# Altium PCB Controller.PcbDoc (part 2 of 2)
Units mm, origin at the board's own origin, x right, y up, seen from the top; angles counter-clockwise.
Board outline 110 x 150 mm, 4 copper layers (Top Layer, Signal Layer 1, Signal Layer 2, Bottom Layer), stack 2.15 mm thick; 184 components, 118 nets, 586 pads, 217 vias.
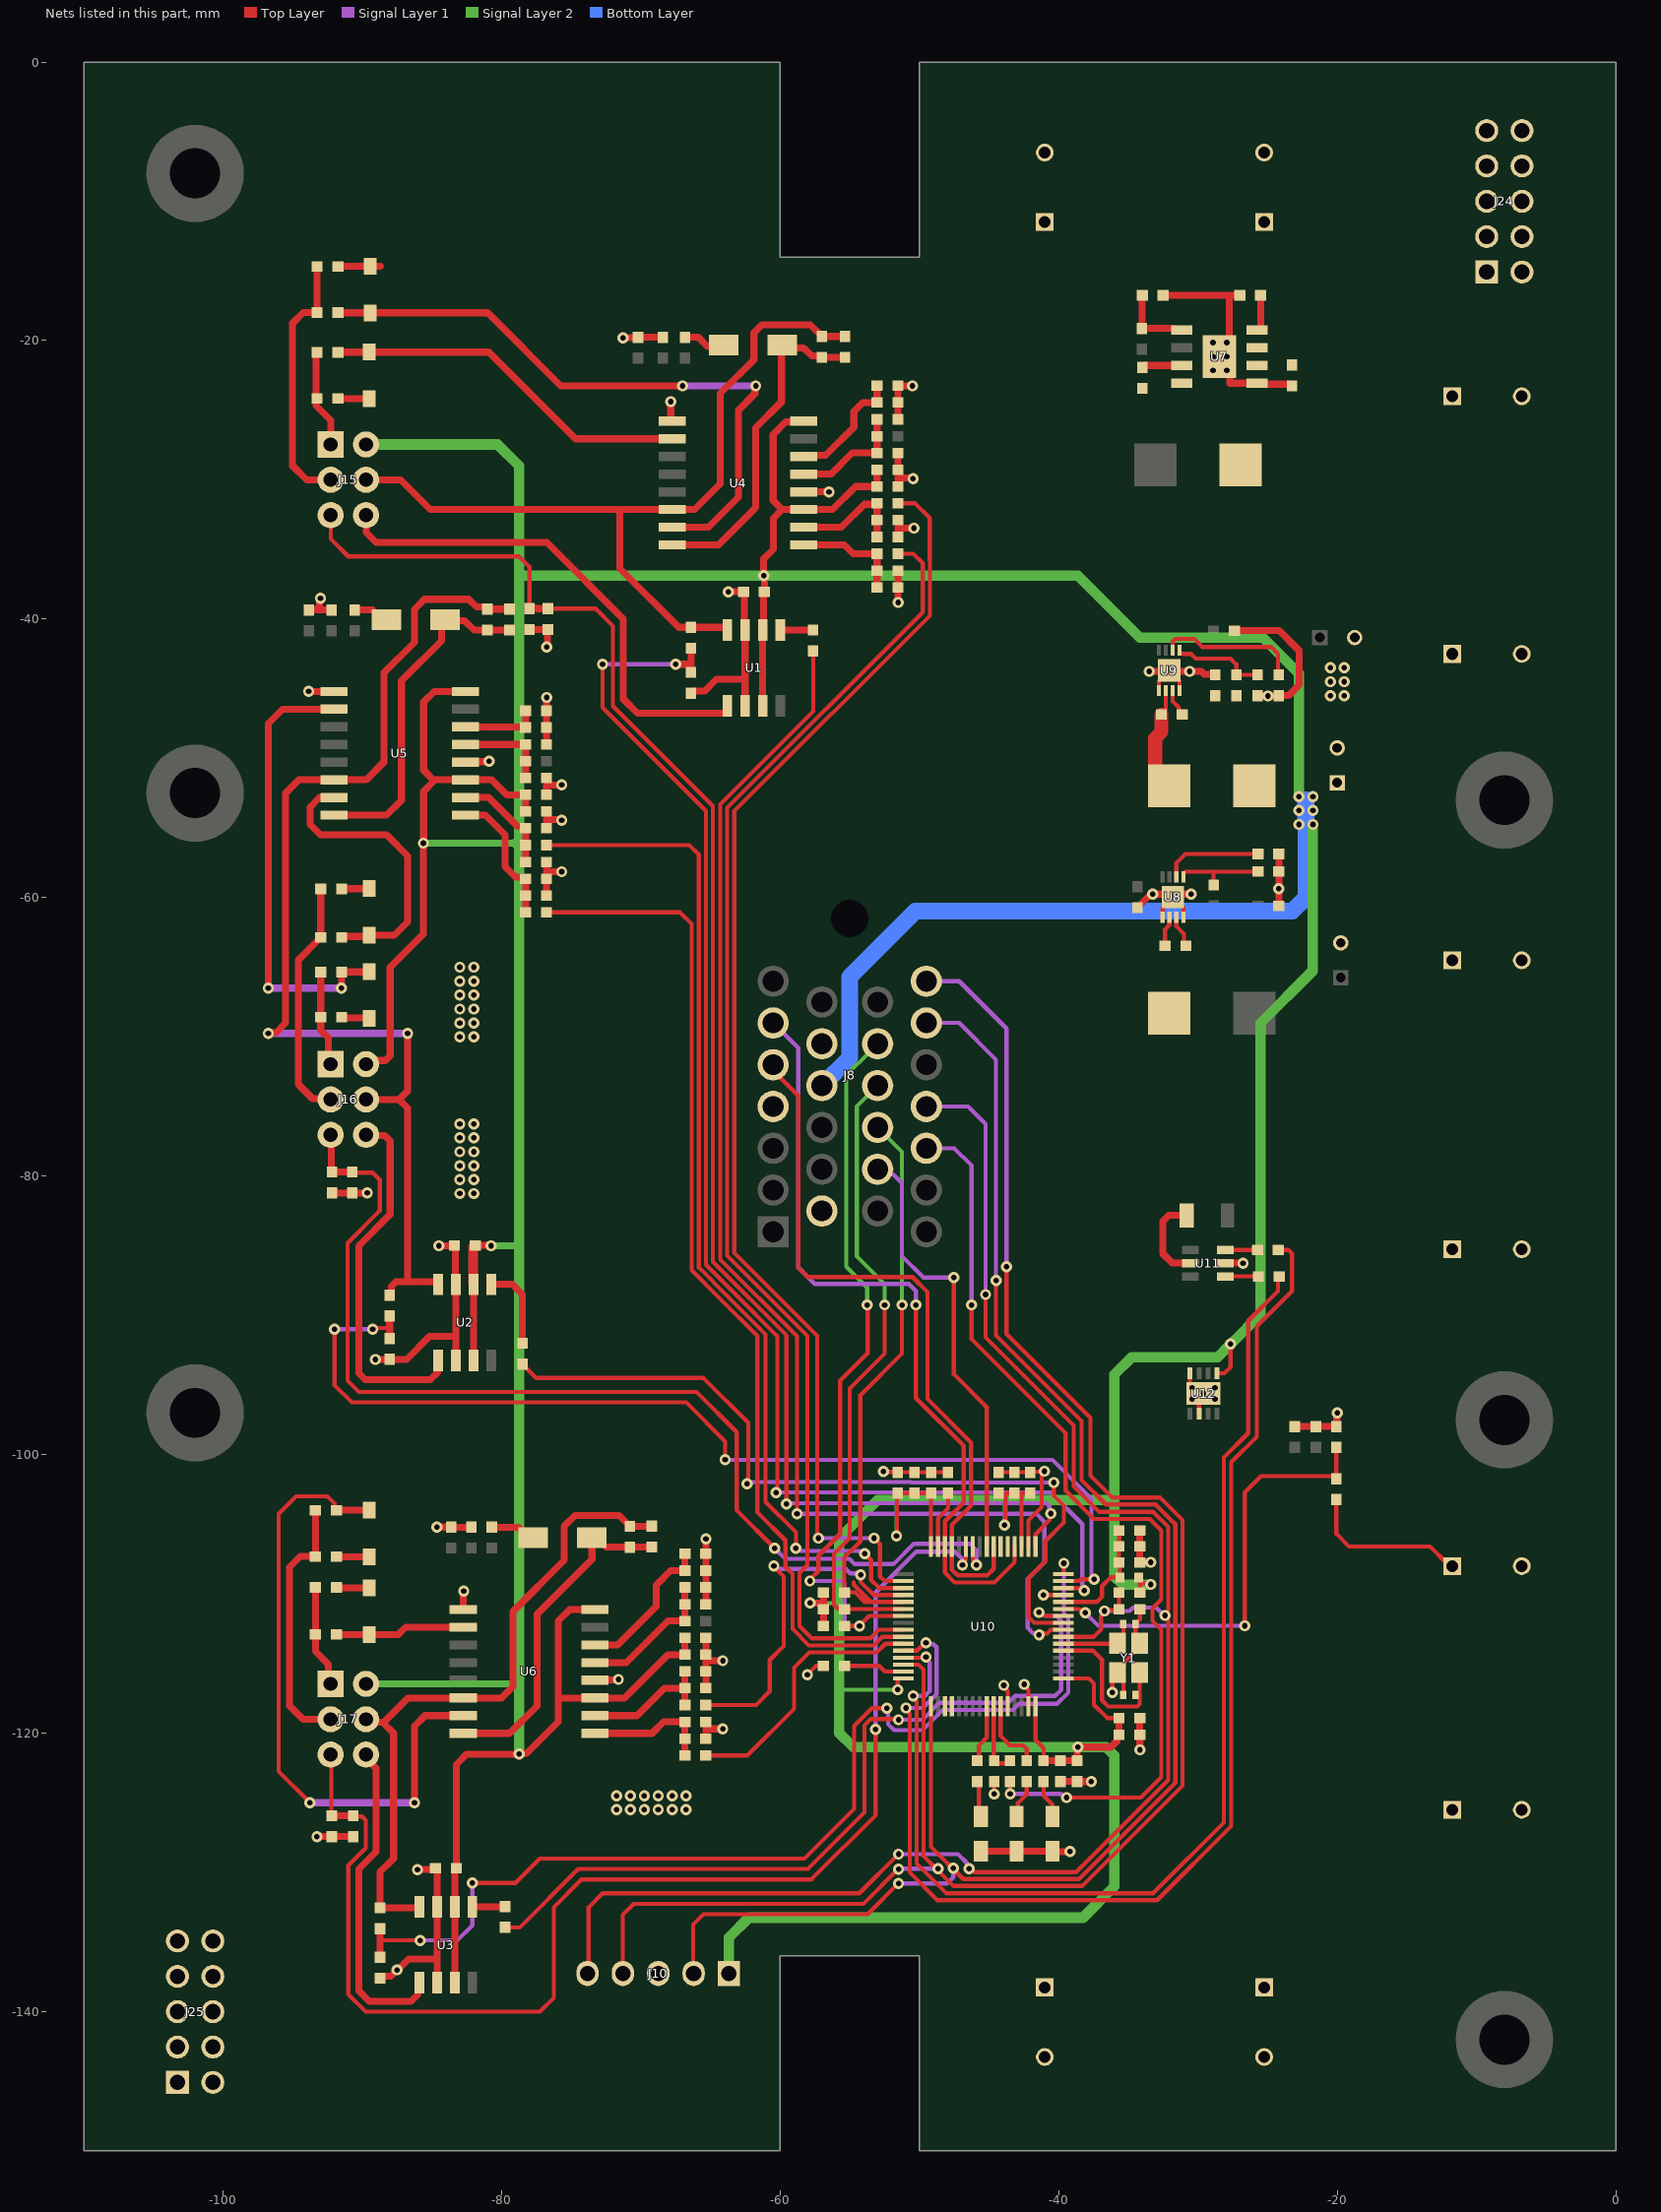
[diagram p4: the nets of this part, all layers, seen from the top]

## Via types
v1: diameter 0.8, hole 0.4, Top Layer to Bottom Layer, tented both sides, 217 vias

## Nets (pads, with @x,y where several pads share a name; then routed paths per layer and width w, separated by ;. In a path a pad name is that pad's centre, name@x,y a point inside that pad or via, vN(x,y) a via of type N, cw(c..) or ccw(c..) an arc to the next point about the centre after c; other vN are vias at no path point) (continued)
GND: C1.2 C2.2 C6.1 C7.2 C8.2 C12.2 C15.2 C16.2 C17.2 C18.1 C19.1 C20.1 C25.2 C26.2 C30.1 C31.1 C32.1 C35.2 C36.2 C37.2 C38.1 C39.1 C40.1 C44.2 C45.2 C46.2 C47.2 C51.2 C52.2 C53.2 C54.1 C55.1 C56.1 C57.2 C58.1 C59.1 C60.1 C61.1 C62.1 C63.1 C64.1 C65.1 C66.1 C67.1 C68.1 C69.1 C70.1 C71.1 C73.1 C76.1 C77.1 C78.1 C79.1 C81.1 C82.1 C83.2 C84.1 C85.1 C86.1 C87.1 C88.1 C89.1 C90.1 C91.1 C92.1 C93.2 C94.1 C95.1 C96.1 C97.1 C98.1 D10.1 D11.1 D12.1 J8.4 J8.8 J8.12 J10.3 J25.1 J25.2 J25.3 J25.4 J25.5 J25.6 J25.7 J25.8 J25.9 J25.10 R8.1 R9.1 R10.1 R12.1 R13.1 R18.2 R19.2 R20.2 R24.1 R30.2 R31.2 R32.2 R36.1 R42.2 R43.2 R44.2 R48.1 R52.1 R57.1 R67.2 R69.2 R71.1 R72.1 U1.2 U1.7 U2.2 U2.7 U3.2 U3.7 U4.4 U4.9 U5.4 U5.9 U6.4 U6.9 U7.1 U7.9 U8.5 U8.8 U8.9 U9.5 U9.8 U9.9 U10.13 U10.18 U10.60 U10.63 U11.2 U12.2 U12.8 U12.9 Y1.2 Y1.4 | length 200.2
  Top Layer w0.3: v1(-71.279,-19.817) v1@-71.254,-19.791 ; C60.1@-70.226,-19.791 C60.1@-70.2,-19.766 ; U4.9@-67.85,-25.685 U4.9@-67.749,-25.786 ; v1(-58.04,-115.798) -57.405,-115.163 C91.1@-56.885,-115.163 ; v1(-52.579,-101.217) -52.554,-101.243 -51.514,-101.243 -51.488,-101.268 C66.1@-50.357,-101.268 C61.1@-49.15,-101.268 C90.1@-47.944,-101.268 ; v1(-44.642,-124.371) C94.1@-44.642,-123.47 ; C63.1@-44.324,-101.268 C67.1@-43.372,-101.268 ; v1(-43.943,-116.56) -43.943,-116.689 -43.666,-116.967 U10.60@-43.666,-118.066 ; C67.1@-43.222,-101.444 -43.046,-101.268 C62.1@-42.038,-101.268 -42.001,-101.231 -41.251,-101.231 -41.213,-101.268 -41.098,-101.268 v1(-41.022,-101.193) ; v1(-42.483,-116.497) -42.483,-116.586 -42.166,-116.903 U10.63@-42.166,-118.066 ; U10.18@-42.166,-106.591 -42.166,-104.717 -41.213,-103.764 v1@-41.213,-101.384 ; v1(-41.086,-110.083) -41.081,-110.078 U10.13@-39.678,-110.078 ; C68.1@-38.673,-123.47 C68.1@-38.667,-123.476 ; v1@-37.663,-123.476 v1(-37.657,-123.482) ; v1(-36.145,-117.088) -36.145,-115.996 Y1.4@-35.79,-115.642 ; C87.1@-35.358,-117.259 -35.358,-116.073 Y1.4@-35.79,-115.642 ; C69.1@-34.176,-120.116 C69.1@-34.17,-120.122 ; C92.1@-34.176,-111.099 -34.176,-111.853 -34.352,-112.029 -34.419,-112.029 -34.494,-112.104 C93.2@-34.494,-112.179 -34.494,-113.237 Y1.2@-34.19,-113.542 -34.64,-113.992 -34.64,-114.236 -35.34,-114.936 -35.34,-115.191 Y1.4@-35.79,-115.642 ; C76.1@-34.176,-107.734 v1(-33.39,-107.734) ; v1@-34.17,-121.19 v1(-34.164,-121.196) ; U9.5@-32.817,-45.137 -32.817,-44.437 U9.9@-32.067,-43.687 ; U8.5@-32.546,-61.416 -32.546,-60.717 -31.845,-60.016 U8.9@-31.796,-59.966 -31.046,-60.717 U8.8@-31.046,-61.416 ; U9.9@-32.004,-43.75 -31.317,-44.437 U9.8@-31.317,-45.137 ; U12.8@-30.576,-94.158 -30.576,-94.933 -29.901,-95.608 v1(-29.601,-95.608) -29.926,-95.933 U12.2@-29.926,-97.058
  Top Layer w0.5: v1(-93.851,-45.195) U5.9@-92.036,-45.195 ; C31.1@-93.843,-39.349 -93.349,-39.349 ; v1(-93.254,-127.433) -93.251,-127.429 -92.189,-127.429 R57.1@-92.185,-127.426 C56.1@-90.661,-127.426 ; v1(-93,-38.5) -93.057,-38.557 -93.057,-39.057 -93.349,-39.349 ; C32.1@-92.192,-39.349 -93.349,-39.349 ; C55.1@-92.18,-81.201 -92.174,-81.207 -89.646,-81.207 v1(-89.64,-81.213) ; v1(-89.048,-93.167) -89.042,-93.161 -88.038,-93.161 R9.1@-88.032,-93.155 -86.814,-93.155 -85.175,-91.516 -83.27,-91.516 ; R10.1@-88.723,-137.601 -88.723,-137.576 -88.598,-137.451 -87.951,-137.451 v1(-87.5,-137) ; v1@-87.475,-137.025 -86.667,-136.216 -84.635,-136.216 ; v1(-86.035,-129.793) C6.1@-85.007,-129.793 ; C6.1@-84.745,-129.696 -84.635,-129.807 U3.7@-84.635,-132.475 -84.635,-136.216 ; v1(-84.641,-105.195) -84.635,-105.201 -83.631,-105.201 C98.1@-83.625,-105.207 C97.1@-82.164,-105.207 ; U3.2@-84.635,-137.925 -84.635,-136.216 ; v1(-84.5,-85) -84.488,-84.988 -83.535,-84.988 -83.53,-84.983 C59.1@-83.53,-84.85 ; C59.1@-83.327,-85.033 -83.327,-87.717 U2.7@-83.27,-87.775 -83.27,-91.516 ; U2.2@-83.27,-93.225 -83.27,-91.516 ; U6.9@-82.749,-111.121 -82.749,-109.75 v1@-82.723,-109.724 ; U5.4@-82.586,-50.275 -82.554,-50.243 -80.929,-50.243 v1(-80.897,-50.211) ; C54.1@-78.008,-40.75 R12.1@-76.674,-40.75 -76.712,-40.788 -76.712,-41.962 v1(-76.75,-42) ; R32.2@-76.774,-59.851 C83.2@-76.774,-58.645 -76.774,-58.137 ; C26.2@-76.774,-57.438 -76.774,-58.137 ; R31.2@-76.774,-55.025 -76.774,-54.327 -76.704,-54.396 -75.74,-54.396 v1(-75.682,-54.454) ; C30.1@-76.774,-52.612 -76.774,-51.914 v1(-75.682,-51.914) ; R30.2@-76.774,-48.993 R36.1@-76.774,-47.786 C95.1@-76.774,-46.58 -76.774,-45.575 v1@-76.762,-45.564 ; v1(-75.682,-58.137) -76.774,-58.137 ; U6.4@-73.299,-116.201 -73.268,-116.169 -71.643,-116.169 v1(-71.611,-116.137) ; v1@-71.254,-19.791 C60.1@-70.226,-19.791 ; C60.1@-70.2,-19.766 C73.1@-68.422,-19.766 ; U4.9@-67.85,-25.685 v1(-67.85,-24.389) ; R8.1@-66.384,-45.338 R8.1@-66.39,-45.332 -66.39,-45.307 -66.265,-45.182 -65.432,-45.182 -64.578,-44.328 -62.516,-44.328 ; R44.2@-65.336,-120.392 -65.336,-119.693 v1(-64.118,-119.693) ; R43.2@-65.336,-116.772 C36.2@-65.336,-115.566 -65.336,-114.867 ; C40.1@-65.336,-113.153 C39.1@-65.336,-114.359 -65.336,-114.867 ; R42.2@-65.336,-110.74 C35.2@-65.336,-109.533 C38.1@-65.336,-108.327 R48.1@-65.336,-107.12 -65.33,-107.114 -65.33,-106.047 v1(-65.324,-106.041) ; v1(-64.118,-114.804) -65.273,-114.804 -65.336,-114.867 ; v1(-63.723,-38.042) C58.1@-62.631,-38.042 -62.574,-38.099 -62.574,-40.72 U1.7@-62.516,-40.778 -62.516,-44.328 ; U1.2@-62.516,-46.228 -62.516,-44.328 ; U4.4@-58.299,-30.866 v1(-56.484,-30.866) ; R20.2@-51.543,-36.517 C17.2@-51.543,-37.724 -51.537,-37.73 -51.537,-38.798 v1(-51.531,-38.804) ; C16.2@-51.543,-34.105 -51.543,-33.406 -51.479,-33.47 v1(-50.388,-33.47) ; C20.1@-51.543,-30.485 -51.543,-29.787 ; C15.2@-51.543,-28.072 C19.1@-51.543,-29.279 -51.543,-29.787 ; R18.2@-51.543,-25.659 C18.1@-51.543,-23.246 -50.504,-23.246 v1(-50.5,-23.25) ; v1(-50.451,-29.914) -50.509,-29.856 -51.473,-29.856 -51.543,-29.787 ; D11.1@-45.59,-128.478 D10.1@-43.019,-128.478 D12.1@-40.447,-128.478 -40.427,-128.498 v1(-39.181,-128.498) ; C64.1@-39.879,-123.47 C68.1@-38.673,-123.47 ; C68.1@-38.667,-123.476 v1@-37.663,-123.476 ; C84.1@-34.34,-60.727 -34.215,-60.602 -34.215,-60.577 -33.445,-59.807 -33.307,-59.807 v1(-33.25,-59.75) -32.111,-59.75 U8.9@-31.845,-60.016 ; C69.1@-34.176,-120.116 C65.1@-34.176,-118.91 ; C76.1@-34.176,-107.734 C77.1@-34.176,-106.591 C78.1@-34.176,-105.448 ; v1@-34.17,-121.19 C69.1@-34.17,-120.122 ; v1(-33.5,-43.75) -32.004,-43.75 -29.75,-43.75 -29.543,-43.957 -28.793,-43.957 C82.1@-28.75,-44 ; R72.1@-32.5,-16.75 -27.75,-16.75 ; U8.9@-31.796,-59.966 -31.579,-59.75 v1(-30.5,-59.75) ; U11.2@-28.05,-86.25 v1(-26.76,-86.25) ; U7.9@-27.856,-22.168 -27.707,-22.317 -27.707,-23.06 U7.1@-25.75,-23.06 -25.678,-23.132 -23.368,-23.132 C71.1@-23.25,-23.25 ; U7.9@-27.856,-20.2 -27.75,-20.094 -27.75,-16.75 ; C81.1@-27.38,-40.829 -24.171,-40.829 -22.75,-42.25 -22.75,-44.75 -23.5,-45.5 C86.1@-24.202,-45.5 -24.215,-45.513 -24.957,-45.513 v1(-24.97,-45.526) -24.983,-45.513 -25.713,-45.513 R69.2@-25.726,-45.5 ; R71.1@-27,-16.75 -27.75,-16.75 ; C79.1@-24.192,-60.6 R67.2@-24.192,-58.135 C85.1@-24.192,-56.865 ; C88.1@-23.056,-97.982 C89.1@-21.532,-97.982 R52.1@-20.06,-97.982 -20.03,-97.952 -20.03,-97.03 v1(-20,-97)
  other v1: -71.75,-125.5 -70.75,-125.5 -69.75,-125.5 -68.75,-125.5 -67.75,-125.5 -66.75,-125.5 -71.75,-124.5 -70.75,-124.5 -69.75,-124.5 -68.75,-124.5 -67.75,-124.5 -66.75,-124.5 -82.714,-109.786 -30.429,-96.012 -28.778,-96.012 -30.429,-95.199 -28.778,-95.199 -83,-81.25 -82,-81.25 -83,-80.25 -82,-80.25 -83,-79.25 -82,-79.25 -83,-78.25 -82,-78.25 -83,-77.25 -82,-77.25 -83,-76.25 -82,-76.25 -83,-70 -82,-70 -83,-69 -82,-69 -83,-68 -82,-68 -83,-67 -82,-67 -83,-66 -82,-66 -83,-65 -82,-65 -24.192,-59.368 -76.753,-45.626 -20.5,-45.5 -19.5,-45.5 -20.5,-44.5 -19.5,-44.5 -30.607,-43.75 -20.5,-43.5 -19.5,-43.5 -28.926,-22.148 -27.926,-22.148 -28.926,-21.148 -27.926,-21.148 -28.926,-20.148 -27.926,-20.148
HALL_U: J8.16 R80.1 U10.37 | length 42.7
  Top Layer w0.3: -54.73,-109.174 -54.73,-109.338 -53.49,-110.578 ; v1(-51.25,-89.25) -51.25,-92.75 -54.25,-95.75 -54.25,-106.25 -55.385,-107.386 R80.1@-55.385,-109.893 -54.611,-109.893 -53.925,-110.579 -53.49,-110.579 ; U10.37@-51.154,-110.579 -53.49,-110.578
  Signal Layer 2 w0.3: J8.16@-53.304,-76.196 -51.25,-78.25 v1(-51.25,-89.25)
HALL_V: J8.17 R81.1 U10.38 | length 45.3
  Top Layer w0.3: v1(-52.5,-89.25) -52.5,-92.75 -55,-95.25 -55,-106 -56.135,-107.136 -56.135,-110.782 -55.881,-111.036 -55.408,-111.036 -55.365,-111.079 U10.38@-51.154,-111.079
  Signal Layer 2 w0.3: J8.17@-53,-73.5 -54.5,-75 -54.5,-85.75 -52.5,-87.75 v1(-52.5,-89.25)
HALL_W: J8.18 R82.1 U10.39 | length 53
  Top Layer w0.3: v1(-57.862,-109.067) -57.862,-108.963 -57.25,-108.351 -57.25,-107.25 -55.694,-105.694 -55.694,-94.694 -53.719,-92.719 -53.719,-89.281 v1(-53.75,-89.25) ; R82.1@-55.385,-112.306 v1(-54.294,-112.306) -54.294,-112.266 -53.607,-111.578 U10.39@-51.154,-111.578
  Signal Layer 1 w0.3: v1(-57.862,-109.067) -55.541,-109.067 -55.365,-109.243 -55.365,-111.997 -55.056,-112.306 v1(-54.294,-112.306)
  Signal Layer 2 w0.3: v1(-53.75,-89.25) -53.75,-88 -55.25,-86.5 -55.25,-72.75 -53.601,-71.101 -53.601,-70.831 J8.18@-53.135,-70.365
ISENSE_U: R1.2 U10.8 | length 96
  Top Layer w0.3: v1(-58.79,-104.241) -58.79,-91.49 -64.3,-85.981 -64.3,-55 -64.3,-53.3 -57.627,-46.627 R1.2@-57.627,-42.284 ; v1(-41.403,-112.941) -41.308,-112.845 -40.827,-112.845 -40.56,-112.578 U10.8@-39.678,-112.578
  Signal Layer 1 w0.3: v1(-58.79,-104.241) -41.618,-104.241 -41.022,-104.836 -41.022,-107.734 -42.229,-108.94 -42.229,-112.432 -41.817,-112.845 -41.499,-112.845 v1(-41.403,-112.941)
ISENSE_V: R53.2 U10.9 | length 58.1
  Top Layer w0.3: R53.2@-78.5,-93.5 -77.5,-94.5 -65.5,-94.5 -62.295,-97.705 -62.295,-102.003 v1(-62.374,-102.082) ; v1(-40.362,-101.999) -40.362,-102.933 -39.625,-103.669 -39.625,-104.876 -40.959,-106.21 -40.959,-107.67 -42.165,-108.877 -42.165,-111.67 -41.757,-112.079 U10.9@-39.678,-112.079
  Signal Layer 1 w0.3: v1(-62.374,-102.082) -62.279,-101.986 -61.968,-101.986 -61.949,-101.967 -50.613,-101.967 -50.581,-101.999 v1(-40.362,-101.999)
ISENSE_W: R55.2 U10.10 | length 58.9
  Top Layer w0.3: R55.2@-79.745,-133.946 -78.696,-133.946 -74.5,-129.75 -58,-129.75 -53.94,-125.69 -53.94,-119.44 -53.48,-118.98 -51.557,-118.98 v1(-51.5,-119.037) ; -41.03,-111.578 U10.10@-39.678,-111.578
  Signal Layer 1 w0.3: v1(-51.5,-119.037) -49.785,-119.037 -48.561,-117.812 -43.608,-117.812 -43.124,-117.329 -40.267,-117.329 -39.816,-116.878 -39.816,-111.931 -40.168,-111.578 -41.03,-111.578 -41.28,-111.328 v1(-41.415,-111.328)
LED_GREEN: R74.2 U10.57 | length 4.1
  Top Layer w0.3: R74.2@-45.721,-121.969 -45.721,-120.878 -45.166,-120.323 U10.57@-45.166,-118.066
LED_RED: R73.2 U10.59 | length 5.2
  Top Layer w0.3: U10.59@-44.166,-118.066 -44.166,-120.211 -43.499,-120.878 -42.546,-120.878 -42.292,-121.132 R73.2@-42.292,-121.906
MISO_ADC_EXT2: U10.22
NetC13_2: C13.2 C14.2 D1.C U4.16 | length 24
  Top Layer w0.5: U4.16@-67.749,-34.676 -64.426,-34.676 -61.75,-32 -61.75,-26.25 -59.902,-24.402 D1.C@-59.902,-20.56 ; D1.C@-59.83,-20.325 D1.C@-59.595,-20.56 ; D1.C@-59.405,-20.532 -58.313,-20.532 -57.735,-21.11 -57.084,-21.11 C13.2@-56.992,-21.202 C14.2@-55.341,-21.202
NetC15_1: C15.1 R18.1 R23.2 U4.5 | length 8.3
  Top Layer w0.5: U4.5@-58.299,-29.596 -56.357,-29.596 -54.833,-28.072 C15.1@-53.043,-28.072 R23.2@-53.043,-26.866 R18.1@-53.043,-25.659
NetC16_1: C16.1 R19.1 R22.2 U4.2 | length 8.4
  Top Layer w0.5: U4.2@-58.299,-33.406 -55.595,-33.406 -53.944,-31.755 -53.106,-31.755 R22.2@-53.043,-31.692 C16.1@-53.043,-34.105
NetC17_1: C17.1 R20.1 R21.2 U4.1 | length 7.9
  Top Layer w0.5: U4.1@-58.299,-34.676 -55.404,-34.676 -54.769,-35.311 R21.2@-53.043,-35.311 C17.1@-53.043,-37.724
NetC18_2: C18.2 R24.2 U4.6 | length 8.7
  Top Layer w0.5: U4.6@-58.299,-28.326 -58.224,-28.251 -56.726,-28.251 -54.706,-26.231 -54.706,-25.088 -54.071,-24.453 R24.2@-53.043,-24.453 C18.2@-53.043,-23.246
NetC24_2: C24.2 C80.2 D4.C U5.16 | length 24.5
  Top Layer w0.5: U5.16@-92.036,-54.085 -88.263,-54.085 -87.184,-53.005 -87.184,-44.434 -84.312,-41.562 -84.312,-40.303 D4.C@-84.045,-40.036 -83.978,-40.103 -82.664,-40.103 -81.981,-40.786 C80.2@-81.016,-40.786 C24.2@-79.429,-40.786
NetC25_1: C25.1 R30.1 R62.2 U5.5 | length 6.7
  Top Layer w0.5: U5.5@-82.586,-49.005 -78.524,-49.005 -78.286,-49.005 R30.1@-78.274,-48.993 -78.274,-51.28 C25.1@-78.335,-51.342
NetC26_1: C26.1 R31.1 R34.2 U5.2 | length 7.4
  Top Layer w0.5: U5.2@-82.586,-52.815 -80.935,-52.815 -78.85,-54.9 ; C26.1@-78.426,-57.565 -78.299,-57.438 C26.1@-78.274,-57.438 R34.2@-78.274,-56.232 R31.1@-78.274,-55.025 R31.1@-78.399,-54.9
NetC33_2: C33.2 C34.2 D7.C U6.16 | length 23.8
  Top Layer w0.5: U6.16@-82.749,-120.011 -79.421,-120.011 -77.453,-118.042 -77.453,-111.453 -73.509,-107.509 D7.C@-73.509,-105.957 ; D7.C@-73.203,-105.957 D7.C@-72.703,-106.457 ; D7.C@-72.512,-106.644 C34.2@-70.798,-106.644 -70.792,-106.637 -69.217,-106.637 C33.2@-69.21,-106.631
NetC35_1: C35.1 R42.1 R64.2 U6.5 | length 9.7
  Top Layer w0.5: U6.5@-73.299,-114.931 -71.039,-114.931 -68.055,-111.946 R64.2@-66.836,-111.946 ; -66.848,-111.565 -66.836,-111.553 R42.1@-66.836,-110.74 C35.1@-66.836,-109.533
NetC36_1: C36.1 R43.1 R63.2 U6.2 | length 9.7
  Top Layer w0.5: U6.2@-73.299,-118.741 -70.277,-118.741 -68.309,-116.772 R43.1@-66.836,-116.772 ; R63.2@-66.836,-117.979 R43.1@-66.836,-116.772 ; C36.1@-66.836,-115.566 R43.1@-66.836,-116.772
NetC37_1: C37.1 R44.1 R45.2 U6.1 | length 9.2
  Top Layer w0.5: U6.1@-73.299,-120.011 -69.198,-120.011 -68.372,-119.185 C37.1@-66.836,-119.185 R44.1@-66.836,-120.392 R45.2@-66.836,-121.598
NetC38_2: C38.2 R48.2 U6.6 | length 10.8
  Top Layer w0.5: U6.6@-73.299,-113.661 -71.674,-113.661 -68.88,-110.867 -68.88,-109.343 -67.864,-108.327 C38.2@-66.836,-108.327 R48.2@-66.836,-107.12
NetC72_1: C72.1 U7.7 | length 2.9
  Top Layer w0.5: C72.1@-33.999,-21.93 -33.999,-21.915 -33.874,-21.79 U7.7@-31.174,-21.79
NetC72_2: C72.2 L1.1 U7.8
NetC74_1: C74.1 L2.1 U8.6 | length 2.2
  Top Layer w0.3: C74.1@-32.359,-63.469 -32.359,-62.275 -32.046,-61.961 -32.046,-61.754 U8.6@-32.046,-61.416
NetC74_2: C74.2 U8.7 | length 2.1
  Top Layer w0.3: U8.7@-31.546,-61.416 -31.546,-61.754 -31.546,-62.072 -31,-62.618 C74.2@-31,-63.292
NetC75_1: C75.1 L3.1 U9.6 | length 7.4
  Top Layer w0.3: U9.6@-32.317,-45.137 -32.317,-46.853 C75.1@-32.309,-46.862
  Top Layer w1: C75.1@-32.627,-46.862 -32.627,-48.114 -33.07,-48.557 -33.07,-50.958 L3.1@-32.056,-51.972
NetC75_2: C75.2 U9.7 | length 2
  Top Layer w0.3: U9.7@-31.817,-45.137 -31.817,-45.905 -31.377,-46.346 -31.377,-46.637 -31.152,-46.862 C75.2@-31.127,-46.862
NetC83_1: C83.1 R32.1 R61.2 U5.1 | length 9.9
  Top Layer w0.5: U5.1@-82.586,-54.085 -81.165,-54.085 -79.75,-55.5 -79.75,-57.789 -79.002,-58.537 -78.382,-58.537 C83.1@-78.274,-58.645 ; R61.2@-78.274,-61.058 R32.1@-78.274,-59.851 C83.1@-78.274,-58.726
NetC85_2: C85.2 U8.2 | length 7.1
  Top Layer w0.3: U8.2@-31.546,-58.516 -31.546,-57.5 -30.911,-56.865 C85.2@-25.692,-56.865
NetC86_2: C86.2 U9.2 | length 10.2
  Top Layer w0.3: U9.2@-31.817,-42.237 -31.817,-41.605 -31.642,-41.429 -30.261,-41.429 -29.69,-42 -24.75,-42 -24.25,-42.5 -24.25,-43.597 -24.202,-43.645 C86.2@-24.202,-44
NetC95_2: C95.2 R36.2 U5.6 | length 5.8
  Top Layer w0.5: U5.6@-82.586,-47.735 R36.2@-78.1,-47.735 ; R36.2@-78.35,-47.735 -78.337,-47.723 R36.2@-78.274,-47.786 C95.2@-78.274,-46.58
NetD1_A: D1.A R15.2 | length 3.9
  Top Layer w0.3: D1.A@-64.619,-19.766 D1.A@-64.06,-20.325
  Top Layer w0.5: R15.2@-66.834,-19.766 -65.87,-19.766 -65.22,-20.416 -64.151,-20.416 D1.A@-64.06,-20.325
NetD2_A: D2.A R16.1 | length 3.1
  Top Layer w0.5: R16.1@-91.746,-14.69 -91.717,-14.661 -88.686,-14.661
NetD2_C: D2.C R17.1 U4.15 | length 46.3
  Top Layer w0.5: R17.1@-91.746,-17.992 -91.732,-18.006 -80.994,-18.006 -75.75,-23.25 v1(-67,-23.25) ; U4.15@-67.749,-33.406 -65.156,-33.406 -63,-31.25 -63,-25 -61.807,-23.807 -61.807,-23.307 v1(-61.75,-23.25)
  Signal Layer 1 w0.5: v1(-67,-23.25) v1(-61.75,-23.25)
NetD3_A: D3.A R59.2 | length 2.3
  Top Layer w0.5: R59.2@-91.746,-24.151 -91.732,-24.165 D3.A@-89.514,-24.165 ; D3.A@-89.5,-24.18 D3.A@-89.514,-24.165 ; D3.A@-89.5,-24.165 D3.A@-89.514,-24.165
NetD3_C: D3.C R58.2 U4.10 | length 26.6
  Top Layer w0.5: R58.2@-91.746,-20.849 -91.732,-20.835 D3.C@-89.514,-20.835 ; D3.C@-89.5,-20.82 D3.C@-89.514,-20.835 ; U4.10@-67.749,-27.056 -74.694,-27.056 -80.915,-20.835 D3.C@-89.514,-20.835
NetD4_A: D4.A R27.2 | length 2.6
  Top Layer w0.5: R27.2@-90.541,-39.349 -89.271,-39.349 -88.585,-40.036 D4.A@-88.275,-40.036
NetD5_A: D5.A R60.1 | length 2
  Top Layer w0.5: R60.1@-91.48,-59.376 -91.466,-59.362 -89.514,-59.362 D5.A@-89.5,-59.347
NetD5_C: D5.C R29.1 U5.15 | length 21.3
  Top Layer w0.5: U5.15@-92.036,-52.815 -93.065,-52.815 -93.75,-53.5 -93.75,-54.75 -93,-55.5 -88.25,-55.5 -86.75,-57 -86.75,-61.75 -87.707,-62.707 -89.36,-62.707 -89.5,-62.847 D5.C@-89.5,-62.707 -89.581,-62.788 -91.4,-62.788 R29.1@-91.48,-62.869
NetD6_A: D6.A R38.2 | length 2
  Top Layer w0.5: R38.2@-91.48,-68.588 -91.434,-68.634 -89.546,-68.634 D6.A@-89.5,-68.68
NetD6_C: D6.C R37.2 U5.10 | length 32.5
  Top Layer w0.5: v1(-96.75,-66.5) -96.75,-47.5 -95.715,-46.465 U5.10@-92.036,-46.465 ; v1(-91.5,-66.5) -91.49,-66.49 -91.49,-65.359 R37.2@-91.48,-65.349 -91.466,-65.335 -89.514,-65.335 D6.C@-89.5,-65.32
  Signal Layer 1 w0.5: v1(-96.75,-66.5) v1(-91.5,-66.5)
NetD7_A: D7.A R39.2 | length 3.3
  Top Layer w0.5: R39.2@-80.704,-105.207 -78.799,-105.207 -78.049,-105.957 D7.A@-77.739,-105.957
NetD8_A: D8.A R40.1 | length 2.4
  Top Layer w0.5: R40.1@-91.861,-107.313 -91.847,-107.327 -89.514,-107.327 D8.A@-89.5,-107.342
NetD8_C: D8.C R41.1 U6.15 | length 46.2
  Top Layer w0.3: v1(-93.75,-125) -96,-122.75 -96,-104.25 -94.75,-103 -92.5,-103 -92,-103.5 -92,-103.872 R41.1@-91.861,-104.011
  Top Layer w0.5: R41.1@-91.861,-104.011 -91.847,-103.997 -89.514,-103.997 D8.C@-89.5,-103.982 ; v1(-86.25,-124.991) -86.25,-119.5 -85.49,-118.741 U6.15@-82.749,-118.741
  Signal Layer 1 w0.5: v1(-93.75,-125) -93.745,-124.995 -86.255,-124.995 v1(-86.25,-124.991)
NetD9_A: D9.A R50.2 | length 2.4
  Top Layer w0.5: R50.2@-91.861,-109.536 -91.844,-109.553 -89.517,-109.553 D9.A@-89.5,-109.57
NetD9_C: D9.C R65.2 U6.10 | length 9.4
  Top Layer w0.5: R65.2@-91.861,-112.901 -91.847,-112.915 -89.514,-112.915 D9.C@-89.5,-112.93 ; D9.C@-89.514,-112.93 D9.C@-89.5,-112.93 ; U6.10@-82.749,-112.391 -86.89,-112.391 -87.43,-112.93 D9.C@-89.5,-112.93
NetD10_2: D10.2 R73.1 | length 3.1
  Top Layer w0.3: D10.2@-43.019,-125.978 -42.927,-125.887 -42.927,-125.006 -42.292,-124.371 -42.292,-123.406 R73.1@-42.419,-123.533
NetD11_2: D11.2 R74.1 | length 2.6
  Top Layer w0.3: R74.1@-45.69,-123.501 -45.721,-123.47 -45.721,-125.847 D11.2@-45.59,-125.978
NetD12_2: D12.2 R75.1 | length 2.8
  Top Layer w0.3: R75.1@-41.086,-123.406 -41.086,-124.498 -40.451,-125.133 -40.451,-125.974 D12.2@-40.447,-125.978
NetR1_1: R1.1 U1.5 | length 2.4
  Top Layer w0.5: U1.5@-59.976,-40.778 -59.97,-40.784 R1.1@-57.627,-40.784
NetR53_1: R53.1 U2.5 | length 6
  Top Layer w0.5: U2.5@-80.73,-87.775 -80.724,-87.769 -79.23,-87.769 -78.5,-88.5 R53.1@-78.5,-92
NetR55_1: R55.1 U3.5 | length 2.4
  Top Layer w0.5: U3.5@-82.095,-132.475 -82.089,-132.47 R55.1@-79.745,-132.47
NetR66_2: R66.2 R67.1 U8.1 | length 6.6
  Top Layer w0.3: U8.1@-31.046,-58.516 -31.046,-58.266 -30.915,-58.135 -28.879,-58.135 ; R66.2@-28.879,-59.1 -28.879,-58.135 ; R67.1@-25.692,-58.135 -28.879,-58.135
NetR68_2: R68.2 R69.1 U9.1 | length 6.9